# Allegro board BeagleBone-AI.brd (continued)
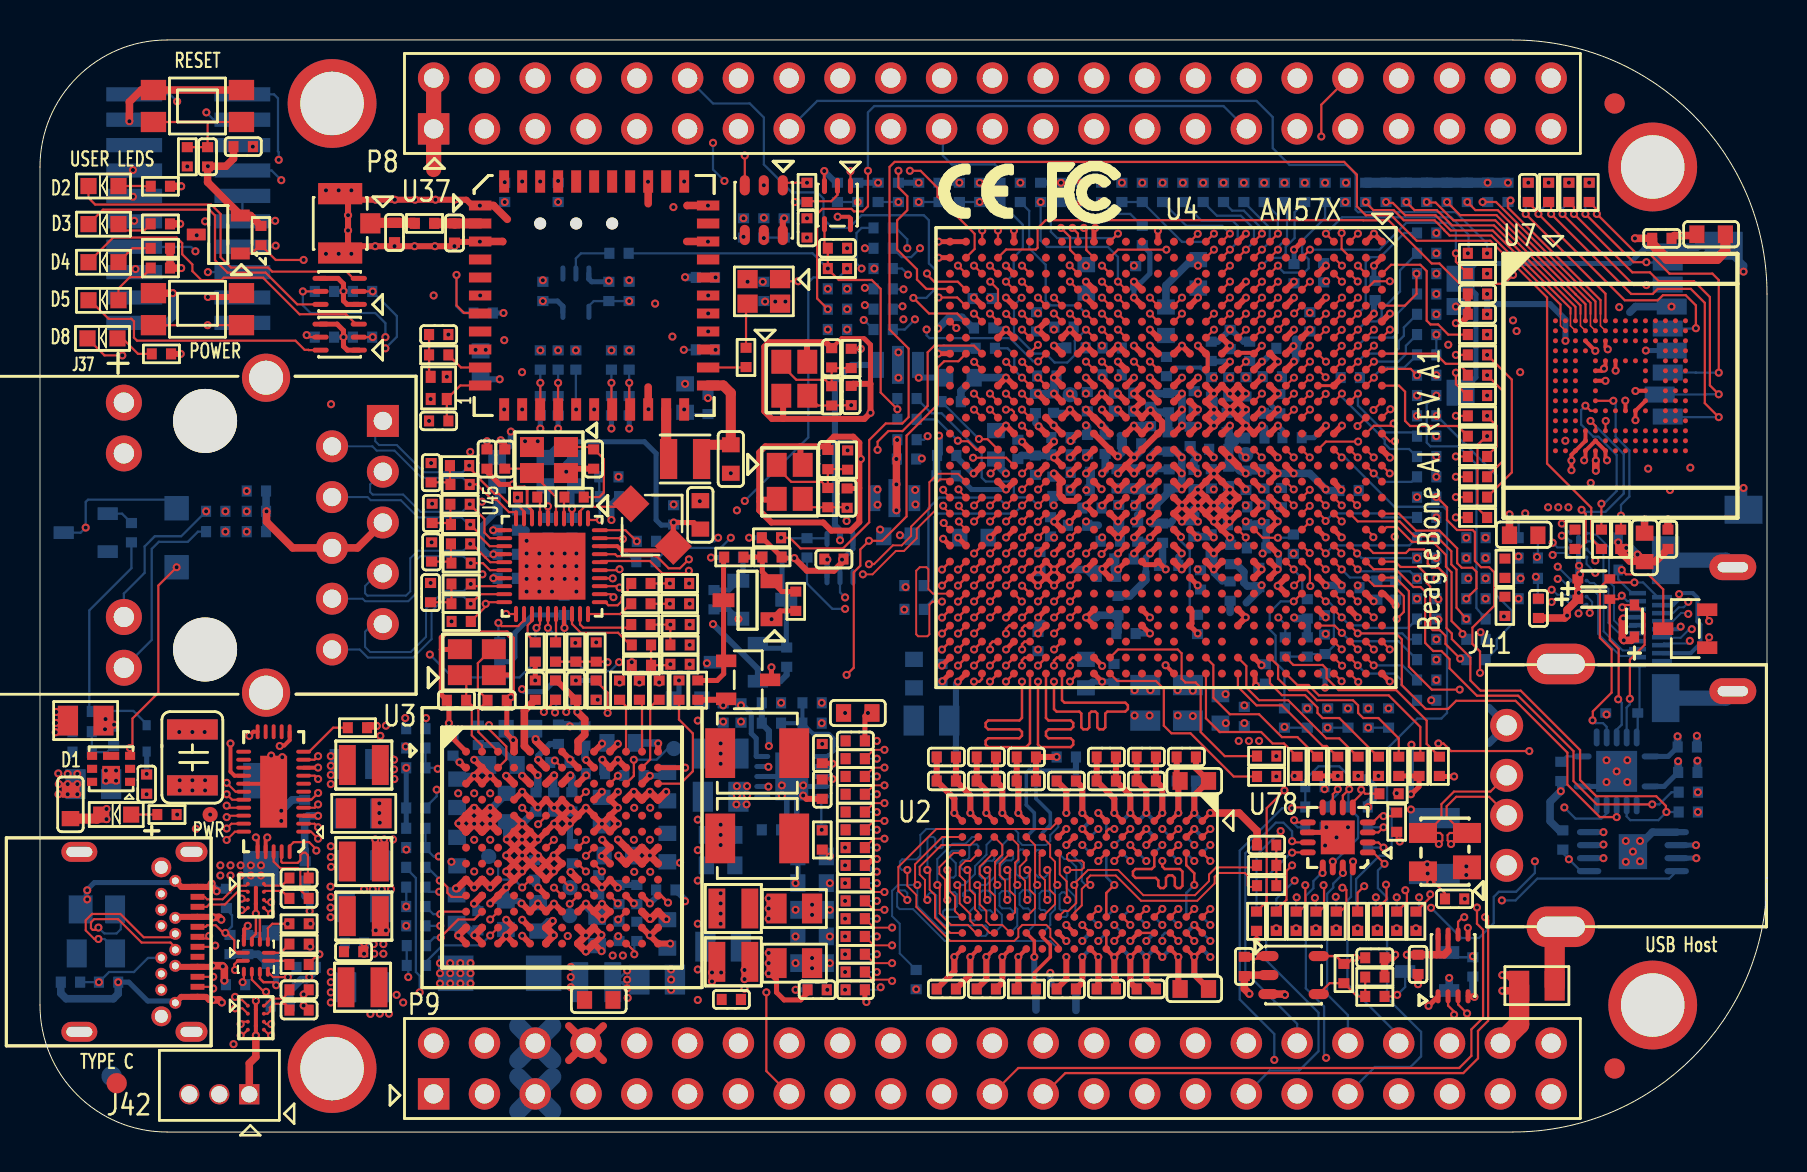
[diagram p0: board, top side]
## Routing (per net, layer and track width the routed paths; a pad name or vN(x,y) marks a point on that pad's centre or on a via; arc(x,y) is an arc through that point) (continued)
  BOTTOM w0.114: v1(44.01,44.2) 43.56,43.75 43.09,43.75 R93.1
MII0_TXD2: length 13.8
  TOP w0.114: U4.U7 v1(53.9,40.13)
  SIG_L10 w0.102: v1(53.9,40.13) 53.51,40.52 52.16,40.52 51.9,40.78 51.9,41.05 51.61,41.34 51.32,41.34 51.06,41.6 51.06,41.88 49.97,42.97 46.35,42.97 45.93,42.55 43.73,42.55 v1(43.41,42.88)
  BOTTOM w0.114: v1(43.41,42.88) 43.1,43.18 R94.1
MII0_TXD3: length 12.7
  TOP w0.114: U4.V7 v1(53.1,40.13)
  SIG_L10 w0.102: v1(43.18,42.14) 50.05,42.14 50.26,41.93 50.26,41.54 50.51,41.29 50.86,41.29 51.13,41.02 51.13,40.76 51.33,40.56 51.59,40.56 51.86,40.29 51.86,40.01 52.12,39.75 52.44,39.75 52.82,40.13 v1(53.1,40.13)
  BOTTOM w0.114: R95.1 42.67,42.14 v1(43.18,42.14)
MII0_XI: length 4.2
  TOP w0.114: C337.1 24.38,33.17 X9.3 25.8,31.75 U45.5
MII0_XO: length 4.9
  TOP w0.114: R461.2 27.97,31.75 28.19,31.98 28.19,33.66 27.71,34.14 C334.1 27.57,34.25 X9.1
MII0_XO_R: length 1.1
  TOP w0.114: R461.1 26.2,31.64 U45.4
MII0A_1.1V: length 3.6
  TOP w0.152: v1(25.4,31.29) 25.4,31.29 U45.6
  TOP w0.203: U45.11 v1(22.66,30.1) ; U45.17 v1(22.67,27.7)
  BOTTOM w0.127: C351.1 v1(22.66,30.1)
  BOTTOM w0.254: 25.4,31.32 25.4,32.18 FB3.2 ; 25.4,31.32 25.4,31.32 25.4,30.71 C348.1 ; 25.4,31.32 v1(25.4,31.29)
  vias: v1(22.12,27.89)
MII0D_1.1V: length 17
  TOP w0.203: U45.38 28.87,29.3 29.08,29.08 31.48,29.08 31.67,29.27 L15.1
  TOP w0.254: L15.1 31.67,30.46 v1(31.69,30.48) 32.69,30.48 C349.1
  BOTTOM w0.254: v1(31.69,30.48) C350.1 31.66,30.35 31.06,30.35 30.81,30.61 30.81,33.93 30.23,34.52 26.06,34.52 FB3.1
MII0D_2.5V: length 10.3
  TOP w0.152: U45.8 24.6,31.07 24.36,31.32 24.36,32.13 24.23,32.26 23.77,32.26 v1(23.65,32.38)
  TOP w0.203: U45.27 26.2,25.21 v1(26.23,25.21)
  TOP w0.254: C339.1 22.35,33.02 22.99,32.38 v1(23.65,32.38)
  BOTTOM w0.254: v1(26.23,25.21) 26.21,25.22 C340.1 24.64,25.86 23.75,24.97 23.75,23.75 23.52,23.52 R483.2
  vias: v1(9.27,31.04) v1(9.27,30.02) v1(10.34,30.02)
MII0D_LX: length 3.1
  TOP w0.114: L15.2 29.4,31.27 27.23,31.27 27,31.04 27,30.69 U45.2
MMC1_CLK: length 59.2
  TOP w0.114: C473.1 74.42,46.48 74.93,45.97 v1(74.93,45.91) 79.25,41.59 80.9,41.59 81.15,41.85 82.3,41.85 82.8,41.34 v1(82.8,40.2)
  SIG_L5 w0.102: v1(82.8,40.2) 80.9,40.2 78.87,42.23 78.87,47.19 76.57,49.49 76.57,50.38 75.83,51.12 49.59,51.12 49,50.52 49,47.5 v1(49.02,47.47)
  BOTTOM w0.114: v1(82.8,40.2) 82.79,40.18 J90.5 ; v1(74.93,45.91) 74.93,46 R421.2
MMC1_CMD: length 54.1
  TOP w0.114: v1(83.95,37.97) 83.95,42.61 83.63,42.93 81.48,42.93 80.47,43.94 79.82,43.94 v1(77.85,45.91) 77.85,46.13 R420.2 ; U4.Y6 v1(51.5,40.93)
  SIG_L5 w0.102: v1(51.5,40.93) 51.09,40.51 50.55,40.51 50.29,40.77 50.29,43.62 50.8,44.13 54.17,44.13 54.74,44.7 54.74,48.13 55.75,49.15 75.56,49.15 76.81,47.9 76.81,46.95 v1(77.85,45.91)
  BOTTOM w0.114: J90.3 82.8,37.98 82.8,37.97 v1(83.95,37.97)
MMC1_DATA0: length 41.1
  TOP w0.114: v1(76.14,45.91) 79.69,42.35 v1(80.33,42.35) ; U4.AA6 50.7,40.93 v1(50.7,40.93)
  SIG_L5 w0.102: v1(50.7,40.93) 50.71,40.93 51.09,41.31 53.21,41.31 53.52,41.61 53.52,41.94 53.72,42.14 54.94,42.14 55.45,42.65 56.21,42.65 57.53,43.97 57.53,47.56 58.1,48.13 73.47,48.13 73.94,47.66 73.94,45.76 74.17,45.53 75.76,45.53 v1(76.14,45.91)
  BOTTOM w0.114: J90.7 80.35,42.38 v1(80.33,42.35) ; v1(76.14,45.91) 76.14,46.19 R422.2
MMC1_DATA1: length 39.2
  TOP w0.114: v1(77.28,45.91) 79.69,43.5 v1(80.33,43.5) ; U4.Y4 v1(51.5,42.53)
  SIG_L5 w0.102: v1(77.28,45.91) 75.79,47.4 75.79,47.78 74.68,48.89 56.52,48.89 55.5,47.88 55.5,45.01 54.31,43.81 51.37,43.81 51.05,43.5 51.05,42.86 51.39,42.53 v1(51.5,42.53)
  BOTTOM w0.114: v1(80.33,43.5) 80.35,43.48 J90.8 ; R423.2 77.28,46.32 v1(77.28,45.91)
MMC1_DATA2: length 51.4
  TOP w0.114: v1(83.95,35.75) 83.25,36.45 83.25,41.47 82.55,42.16 80.9,42.16 80.65,41.91 79.57,41.91 v1(75.56,45.91) 75.56,46.38 R418.2 ; U4.AA5 v1(50.7,41.73)
  SIG_L5 w0.102: v1(50.7,41.73) 51.08,42.1 53.24,42.1 53.49,42.35 53.49,42.72 53.7,42.93 55.91,42.93 56.77,43.79 56.77,47.82 57.34,48.39 74.17,48.39 74.8,47.75 74.8,46.67 v1(75.56,45.91)
  BOTTOM w0.114: v1(83.95,35.75) 81.42,35.75 J90.1
MMC1_DATA3: length 48.9
  TOP w0.114: R419.2 76.71,46.25 v1(76.71,45.91) 79.63,42.99 80.51,42.99 80.95,42.54 82.72,42.54 83.5,41.76 83.5,37.34 v1(83.95,36.89) ; U4.Y3 v1(51.49,43.34)
  SIG_L5 w0.102: v1(51.49,43.34) 51.93,42.9 53.29,42.9 53.97,43.59 54.41,43.59 55.14,44.32 55.75,44.32 56.52,45.08 56.52,48.01 57.15,48.64 74.36,48.64 75.08,47.92 75.08,47.16 75.43,46.81 75.81,46.81 v1(76.71,45.91)
  BOTTOM w0.114: J90.2 83.31,36.88 83.31,36.89 v1(83.95,36.89)
MMC1_SDCD: length 44.5
  TOP w0.114: U4.W7 v1(52.3,40.13)
  SIG_L5 w0.102: v1(52.3,40.13) 52.57,39.86 52.57,39.82 52.67,39.73 54.05,39.73 54.97,40.64 54.97,41.05 55.25,41.33 57.56,41.33 57.91,40.97 57.91,39.95 58.93,38.94 63.65,38.94 64.42,39.71 66.97,39.71 67.22,39.46 68.49,39.46 69.06,38.89 69.75,38.89 70.15,38.48 70.99,38.48 71.25,38.73 71.25,40.87 J90.9 v1(70.8,41.28)
  SIG_L8 w0.102: v1(39.4,42.16) 39.43,42.16 39.85,42.58 39.85,43.21 40.18,43.54 44.58,43.54 46,42.11 48.69,42.11 v1(49.09,41.72)
  BOTTOM w0.081: J90.9 v1(70.8,41.28)
  BOTTOM w0.114: v1(49.09,41.72) 48.7,41.34 48.7,39.94 49.72,38.93 50.29,38.93 50.74,38.48 51.37,38.48 51.75,38.86 51.75,39.57 v1(52.3,40.13)
MMC2_CLK: length 21.7
  TOP w0.114: v1(78.3,35.56) 78.28,35.55 U7.M6
  SIG_L8 w0.102: v1(65.3,47.47) 65.3,47.41 65.85,46.86 65.85,46.23 66.14,45.94 66.9,45.94 69.28,43.56 69.28,42.67 69.53,42.42 70.56,42.42 71.56,41.41 71.56,38.09 72.29,37.36 72.57,37.36 73.05,36.88 77.61,36.88 78.3,36.2 v1(78.3,35.56)
  BOTTOM w0.114: R202.2 v1(65.3,47.47)
MMC2_CMD: length 29.2
  TOP w0.114: v1(77.53,35.56) 77.79,35.31 77.79,35.07 U7.M5 ; R188.2 76.96,29.16 77.29,29.49 77.29,30.91 v1(77.09,31.12) ; U4.H6 v1(61.9,40.93)
  SIG_L8 w0.102: v1(77.53,35.56) 76.64,36.45 71.83,36.45 71.07,37.21 68.83,37.21 68.45,37.59 68.45,38.61 68.14,38.93 64.14,38.93 63.94,39.12 63.94,39.5 63.72,39.73 63.35,39.73 63.12,39.95 63.12,40.26 62.86,40.51 62.48,40.51 62.07,40.93 v1(61.9,40.93)
  BOTTOM w0.114: v1(77.53,35.56) 79.2,33.9 79.2,31.93 78.28,31.01 77.19,31.01 v1(77.09,31.12)
MMC2_DAT0: length 22
  TOP w0.114: U4.J4 v1(61.1,42.53) ; v1(68.33,46.51) 68.73,46.1 69.85,46.1 70.61,45.34 72.71,45.34 76.78,41.26 U7.A3
  SIG_L5 w0.102: v1(68.33,46.51) 68.02,46.51 67.28,45.77 62.22,45.77 61.51,45.07 61.51,43.17 61.1,42.77 v1(61.1,42.53)
MMC2_DAT1: length 23
  TOP w0.114: v1(70.36,46.51) 71.01,45.85 72.83,45.85 76.79,41.89 77.28,41.4 U7.A4 ; U4.J6 v1(61.1,40.92)
  SIG_L5 w0.102: v1(70.36,46.51) 70.36,46.08 69.88,45.59 68.12,45.59 67.01,44.48 64.49,44.48 63.07,43.05 63.07,42.29 62.86,42.09 62.48,42.09 62.31,41.91 62.31,41.48 62.15,41.33 61.77,41.33 61.37,40.93 61.1,40.93 v1(61.1,40.92)
MMC2_DAT2: length 22.9
  TOP w0.114: U4.H4 v1(61.9,42.53) ; U7.A5 77.78,41.53 72.81,46.51 v1(72.14,46.51)
  SIG_L5 w0.102: v1(61.9,42.53) 61.9,42.8 62.29,43.19 62.29,44.51 63.32,45.54 67.42,45.54 67.93,46.05 69.61,46.05 69.72,46.16 69.72,46.8 70.02,47.09 71.55,47.09 v1(72.14,46.51)
MMC2_DAT3: length 25.1
  TOP w0.081: 76.03,40.92 76.03,40.32 U7.B2
  TOP w0.114: v1(66.29,46.51) 66.29,46.48 66.67,46.1 67.69,46.1 68.2,45.59 69.74,45.59 70.21,45.12 70.21,45.1 70.48,44.83 72.58,44.83 76.03,41.38 76.03,40.92 ; U4.H5 v1(61.9,41.73)
  SIG_L5 w0.102: v1(66.29,46.51) 65.89,46.1 61.66,46.1 60.7,45.15 60.7,41.55 60.94,41.32 61.4,41.32 61.8,41.73 v1(61.9,41.73)
MMC2_DAT4: length 26.8
  TOP w0.081: 76.53,40.92 76.53,40.32 76.78,40.07 U7.B3
  TOP w0.114: U4.K7 v1(60.3,40.12) ; v1(67.31,46.51) 67.35,46.46 67.65,46.46 68.26,45.85 69.79,45.85 70.55,45.08 72.64,45.08 76.53,41.2 76.53,40.92
  SIG_L5 w0.102: v1(60.3,40.13) 60.1,40.32 60.1,40.32 59.9,40.52 59.9,45.3 61.1,46.49 64.6,46.49 65,46.89 66.93,46.89 v1(67.31,46.51)
MMC2_DAT5: length 28.2
  TOP w0.081: 77.03,40.92 77.03,40.32 77.28,40.07 U7.B4
  TOP w0.114: 77.03,40.92 77.03,41.33 72.77,45.59 70.68,45.59 69.79,46.48 69.37,46.48 v1(69.34,46.51) ; U4.M7 v1(58.7,40.13)
  SIG_L5 w0.102: v1(58.7,40.13) 59.15,40.57 59.15,41.07 59.15,45.13 60.81,46.79 64.57,46.79 64.87,47.09 68.76,47.09 v1(69.34,46.51)
MMC2_DAT6: length 24.1
  TOP w0.081: U7.B5 77.78,40.07 77.53,40.32 77.53,40.92
  TOP w0.114: 77.53,40.92 77.53,41.47 77.43,41.57 77.43,41.57 72.9,46.1 71.78,46.1 v1(71.37,46.51) ; v1(61.1,41.73) U4.J5
  SIG_L5 w0.102: v1(71.37,46.51) 70.99,46.89 70.13,46.89 69.98,46.74 69.98,46.05 69.77,45.85 68.05,45.85 67.54,45.34 64.01,45.34 63.07,44.4 63.07,43.51 62.31,42.75 62.31,42.29 62.14,42.13 61.5,42.13 v1(61.1,41.73)
MMC2_DAT7: length 28.5
  TOP w0.081: 78.03,40.92 78.03,40.32 78.28,40.07 U7.B6
  TOP w0.114: U4.K6 v1(60.3,40.93) ; v1(73.53,46.58) 73.41,46.46 73.41,46.23 78.03,41.6 78.03,40.92
  SIG_L5 w0.102: v1(60.3,40.92) 60.72,40.51 63.65,40.51 63.91,40.77 63.91,41.15 64.08,41.33 65.25,41.33 65.51,41.58 65.51,42.72 65.71,42.93 66.14,42.93 66.93,42.14 69.04,42.14 69.42,42.52 72.72,42.52 73.53,43.33 v1(73.53,46.58)
MMC4_CLK: length 49.8
  SIG_L8 w0.102: v1(69.82,23.62) 68.05,21.84 63.68,21.84 62.53,22.99 60.9,22.99 55.12,28.77 55.12,29.08 54.86,29.34 54.55,29.34 54.29,29.59 54.29,29.91 54.08,30.12 52.17,30.12 51.94,30.35 51.94,30.67 50.86,31.75 49.71,31.75 49.5,31.95 49.5,32.28 49.25,32.54 47.29,32.54 47.14,32.69 47.14,33.05 46.89,33.3 46.2,33.3 45.14,34.37 43.41,34.37 43.28,34.24 42.72,34.24 41.81,35.15 40.61,35.15 40.23,35.53 40.01,35.75 29.97,35.75 29.59,36.13 v1(27.71,36.13)
MMC4_CMD: length 52.5
  SIG_L8 w0.102: v1(26.81,36.13) 26.81,36.12 27.24,35.69 29.46,35.69 29.65,35.5 39.94,35.5 40.13,35.31 40.51,34.92 41.71,34.92 42.62,34.01 43.38,34.01 43.51,34.14 44.96,34.14 47.12,31.98 47.9,31.98 48.16,31.72 49.33,31.72 49.48,31.57 49.48,31.22 49.76,30.94 50.9,30.94 51.1,30.73 51.1,30.25 51.26,30.1 51.74,30.1 52.5,29.34 54.1,29.34 54.29,29.15 54.29,28.83 54.61,28.51 54.86,28.51 59.97,23.41 59.97,22.23 60.6,21.59 v1(69.57,21.59)
  BOTTOM w0.114: R581.1 v1(69.57,21.59) ; R563.2 26.8,36.54 26.81,36.52 v1(26.81,36.13)
MMC4_DATA0: length 49.2
  TOP w0.114: U4.D28 64.7,22.92 65.08,22.54 v1(65.09,22.54)
  SIG_L8 w0.102: v1(65.09,22.54) 64.19,23.44 61.49,23.44 61.04,23.9 60.81,23.9 56.71,28 56.71,28.28 56.44,28.55 56.16,28.55 55.88,28.83 55.88,29.08 55.63,29.34 55.37,29.34 55.12,29.59 55.12,29.91 54.88,30.15 54.56,30.15 54.29,30.42 54.29,30.67 54.04,30.92 52.13,30.92 50.83,32.23 50.32,32.23 50.06,32.49 49.68,32.49 49.5,32.66 49.5,33.17 49.33,33.35 47.32,33.35 47.09,33.58 47.09,33.81 46.79,34.11 45.75,34.11 45.47,34.39 45.47,34.95 45.14,35.28 43.79,35.28 43.56,35.05 42.34,35.05 42.01,35.38 40.7,35.38 40.08,36 33.27,36 32.57,36.7 27.75,36.7 27.62,36.83 27.62,38.13 27.72,38.23 27.89,38.23 27.99,38.33 27.99,38.53 27.89,38.63 27.72,38.63 27.62,38.73 27.62,38.96 27.75,39.09 v1(28.58,39.09)
MMC4_DATA0_R: length 2.7
  TOP w0.114: v1(28.58,37.46) 28.58,36.17 U37.18
  BOTTOM w0.114: R336.2 v1(28.58,37.46) R564.2
MMC4_DATA1: length 49
  TOP w0.114: U4.D26 v1(65.09,24.13)
  SIG_L8 w0.102: v1(29.46,39.09) 29.46,37.97 29.67,37.77 29.9,37.77 30,37.87 30,39.16 30.12,39.28 30.28,39.28 30.4,39.16 30.4,37.85 30.51,37.74 30.71,37.74 30.81,37.85 30.81,38.25 30.91,38.35 31.12,38.35 31.22,38.25 31.22,37.9 31.32,37.8 32.46,37.8 33.05,37.21 34.07,37.21 34.58,36.7 39.65,36.7 41.62,36.7 42.06,36.26 42.06,36.01 42.54,35.53 43.28,35.53 43.54,35.79 45.67,35.79 46.2,35.26 47.19,35.26 48.62,33.83 49.99,33.83 50.5,33.32 52.6,33.32 52.73,33.2 52.73,32.72 52.93,32.51 54.04,32.51 54.29,32.26 54.29,32 54.55,31.75 54.86,31.75 55.12,31.5 55.12,31.18 55.37,30.92 56.32,30.92 56.71,30.54 56.71,30.42 56.96,30.16 57.21,30.16 57.51,29.87 57.51,29.55 58.32,28.73 58.32,27.97 58.79,27.5 58.79,26.6 60.93,24.46 61.26,24.46 61.53,24.19 65.04,24.19 v1(65.09,24.13)
MMC4_DATA1_R: length 2.7
  TOP w0.114: v1(29.46,37.46) 29.46,36.18 U37.19
  BOTTOM w0.114: R337.2 v1(29.46,37.46) R565.2
MMC4_DATA2: length 51
  TOP w0.114: v1(65.11,23.32) U4.D27
  SIG_L8 w0.102: v1(25.02,39.09) 25.4,38.71 26.96,38.71 27.8,39.54 28.78,39.54 28.96,39.37 28.96,37.4 29.4,36.96 32.64,36.96 33.34,36.26 40.15,36.26 40.8,35.61 42.14,35.61 42.47,35.28 43.41,35.28 43.66,35.53 45.59,35.53 46.1,35.03 47.09,35.03 48.51,33.6 49.89,33.6 50.27,33.22 50.27,32.72 50.47,32.51 52.45,32.51 52.7,32.26 52.7,31.85 52.86,31.7 54.09,31.7 54.32,31.46 54.32,31.15 54.51,30.96 54.83,30.96 55.12,30.67 55.12,30.35 55.31,30.16 55.69,30.16 56.71,29.15 56.71,28.77 56.9,28.57 57.21,28.57 57.51,28.28 57.51,27.97 57.72,27.75 58.04,27.75 58.37,27.42 58.37,26.7 60.88,24.18 61.16,24.18 61.59,23.75 64.68,23.75 v1(65.11,23.32)
MMC4_DATA2_R: length 2.7
  TOP w0.114: U37.14 25.02,36.14 v1(25.02,37.46)
  BOTTOM w0.114: R333.2 v1(25.02,37.46) R561.2
MMC4_DATA3: length 51.5
  TOP w0.114: U4.C28 v1(65.92,22.51)
  SIG_L8 w0.102: v1(25.91,39.09) 25.91,39.12 26.61,39.81 30.23,39.81 31.97,38.07 32.54,38.07 33.15,37.46 34.14,37.46 34.67,36.93 39.56,36.93 41.71,36.93 42.52,36.13 42.52,36 42.73,35.79 43.13,35.79 43.41,36.07 45.82,36.07 46.41,35.48 47.29,35.48 48.62,34.16 52.51,34.16 53.35,33.32 54.15,33.32 54.31,33.17 54.31,32.79 54.58,32.51 54.86,32.51 55.12,32.26 55.12,32 55.37,31.75 55.63,31.75 55.82,31.56 56.32,31.56 56.96,30.92 57.21,30.92 57.53,30.61 57.53,30.35 57.73,30.15 58.04,30.15 58.29,29.9 58.29,29.59 58.55,29.34 58.8,29.34 59.18,28.96 59.18,27.46 62.12,24.52 66.02,24.52 66.25,24.28 66.25,22.84 v1(65.92,22.51)
MMC4_DATA3_R: length 2.7
  TOP w0.114: U37.15 25.91,36.13 v1(25.91,37.46)
  BOTTOM w0.114: R562.2 v1(25.91,37.46) R334.2
MR_L: length 30
  TOP w0.114: U10.3 35.24,47.35 v1(35.24,48.83)
  SIG_L10 w0.102: v1(7.37,48.29) 7.37,48.32 7.75,48.7 10.81,48.7 11.3,48.21 34.62,48.21 v1(35.24,48.83)
ON_OFF: length 0.6
  TOP w0.114: U4.Y11 v1(51.5,36.93)
OSC0_IN: length 11.5
  TOP w0.114: v1(47.54,32.93) 47.9,33.3 U4.AE15 ; v1(40.36,31.22) 40.34,31.24 R11.1 38.56,31.24 X7.3
  INT_L3 w0.102: v1(40.36,31.22) 40.97,31.22 41.24,30.95 42.1,30.95 43.69,32.54 44.15,32.54 44.63,33.02 45.57,33.02 46.05,32.54 47.14,32.54 v1(47.54,32.93)
OSC0_OUT: length 9
  TOP w0.114: v1(46.66,33.72) 48.31,33.72 U4.AD15
  SIG_L5 w0.102: v1(40.39,34.09) 41.27,34.09 41.62,33.74 42.14,33.74 42.55,34.16 44.28,34.16 44.72,33.72 v1(46.66,33.72)
OSC1_IN: length 13.1
  TOP w0.114: v1(40.56,36.35) R12.1 38.91,36.33 X8.3 ; U4.AC15 v1(49.11,32.93)
  SIG_L5 w0.102: v1(49.11,32.93) 49.11,33.31 48.29,34.12 45.15,34.12 44.86,34.42 44.07,34.42 43.5,34.99 41.92,34.99 v1(40.56,36.35)
OSC1_OUT: length 12.1
  TOP w0.114: U4.AC13 v1(49.1,35.33) ; R15.1 v1(41.05,39.17)
  SIG_L5 w0.102: v1(41.05,39.17) 41.05,37.38 42.67,35.75 47.23,35.75 48.03,34.95 48.73,34.95 v1(49.1,35.33)
PMIC_INT: length 91.6
  TOP w0.114: U4.F21 63.5,28.13 63.5,27.33 v1(63.53,27.3)
  SIG_L8 w0.102: v1(18.99,6.98) 20.28,5.69 35.51,5.69 36.09,5.11 36.09,3.89 36.37,3.61 50.98,3.61 51.46,4.09 51.46,5.16 51.99,5.69 65.91,5.69 66.7,6.48 66.7,9.25 67.36,9.91 67.36,11.79 67.69,12.12 67.69,13.87 67.56,14 67.56,14.88 67.79,15.11 68.66,15.11 69.75,16.21 69.75,18.29 70.79,19.33 70.79,21.21 71.37,21.79 71.37,23.19 71.65,23.47 71.65,24.18 71.37,24.46 71.07,24.46 70.76,24.77 70.76,25.37 70.61,25.53 70.61,25.91 70.26,26.26 69.65,26.26 69.47,26.44 69.47,27.13 69.24,27.36 69.24,27.97 69.14,28.07 68.68,28.07 67.56,26.95 63.88,26.95 v1(63.53,27.3)
  BOTTOM w0.114: R152.2 18.31,13.18 18.8,12.7 18.8,8 18.99,7.81 v1(18.99,6.98)
PMIC_RESET_IN_L: length 13.4
  TOP w0.12: U3.K9 27.29,12.24 v1(27.28,12.24)
  INT_L3 w0.102: v1(27.28,12.24) 27.34,12.24 27.7,12.6 27.7,13.24 27.53,13.41 23.1,13.41 22.56,13.96 21.36,13.96 19.84,15.48 v1(19.84,17.12)
  BOTTOM w0.114: R157.1 19.28,16.23 19.84,16.79 v1(19.84,17.12)
PMIC_RSTOUTN: length 74.3
  TOP w0.114: U6.1 v1(40.53,48.05)
  TOP w0.12: U3.G6 v1(25.7,14.61)
  INT_L3 w0.102: v1(25.76,20.98) 26.11,20.62 26.11,15.03 v1(25.7,14.61)
  SIG_L5 w0.102: v1(40.53,48.05) 40.14,48.44 31.57,48.44 31.14,48.01 13.84,48.01 12.83,46.99 12.83,44.53 11.62,43.32 11.62,39.71 12.85,38.48 14.88,38.48 15.93,37.44 15.93,24.92 18.68,22.16 22.12,22.16 22.12,22.15 23.04,21.23 24.59,21.23 24.84,21.49 25.25,21.49 v1(25.76,20.98)
  BOTTOM w0.114: v1(25.76,20.98) 25.81,21.03 25.81,21.59 R124.1
PORZ: length 6.7
  TOP w0.114: 8.38,50.51 C321.1 R595.1 ; 8.38,50.51 S1.2 ; 8.38,50.51 S1.4
PORZN: length 45.4
  TOP w0.114: U4.F22 v1(62.71,27.33)
  SIG_L5 w0.102: v1(62.71,27.33) 62.29,27.75 62.29,29.04 61.99,29.34 46.48,29.34 46,28.85 41.25,28.85 39.98,30.12 38.94,30.12 37.5,31.56 v1(35.24,31.56)
  BOTTOM w0.114: v1(35.24,31.56) 38.42,34.73 38.42,42.48 38.67,42.74 39.94,42.74 40.36,43.15 v1(40.36,43.18)
PWR_BUT: length 69.6
  TOP w0.114: S3.4 v1(8.38,40.35) S3.2
  SIG_L5 w0.102: P9.9 29.82,1.9 28.55,3.17 28.55,5.16 29.11,5.71 34.16,5.71 34.62,6.17 34.62,15.06 35.97,16.41 35.97,17.42 34.67,18.72 34.67,20.68 34.42,20.93 33.68,20.93 32.99,21.62 v1(27.89,21.62)
  SIG_L8 w0.102: v1(27.89,21.62) 27.46,21.62 27.24,21.83 27.24,25.18 26.29,26.14 24,26.14 23.14,27 21.39,27 19.37,29.02 16.45,29.02 15.05,30.42 13.3,30.42 10.99,32.73 10.99,36 8.38,38.61 v1(8.38,40.35)
PWR_OV_CTL: length 12.7
  BOTTOM w0.114: 2.54,21.03 2.46,20.96 2.46,26.09 4.57,28.19 R552.1 ; 2.54,21.03 2.57,21.06 4.67,21.06 5.33,20.4 D76.2 ; 2.54,21.03 R551.2
R6_GPIO7_3: length 58.7
  TOP w0.114: U4.R6 v1(55.5,40.93) ; v1(64.19,12.34) 64.21,12.32 64.21,11.26 63.97,11.02 R634.1 ; v1(69.93,19.43) 70.18,19.43 70.56,19.05 v1(74.47,19.05)
  SIG_L5 w0.102: v1(64.19,12.34) 63.6,12.93 63.6,17.45 65.02,18.87 69.39,18.87 69.93,19.41 v1(69.93,19.43) ; v1(74.47,19.05) 74.47,20.88 72.85,22.5 72.85,23.9 74.3,25.35 74.3,26.92 74.09,27.13 73.94,27.13 73.66,27.41 73.66,27.94 73.3,28.3 73.3,30.12 72.52,30.91 72.52,33.99 71.12,35.38 69.57,35.38 69.32,35.64 69.32,36.09 69.06,36.35 68.76,36.35 67.79,37.31 64.9,37.31 64.69,37.52 64.69,38.81 64.49,39.01 64.08,39.01 63.88,38.81 63.88,38.23 63.8,38.15 59,38.15 58.47,38.68 57.78,38.68 57.51,38.96 57.51,39.5 56.08,40.93 v1(55.5,40.93)
RESETN: length 5.7
  TOP w0.102: U4.E23 v1(64.29,26.53)
  BOTTOM w0.114: v1(64.29,26.53) 64.43,26.53 64.7,26.26 64.7,24.31 64.29,23.9 C267.1 63.45,23.9 R169.1 R642.1
RF_ANT_2G4: length 2.3
  TOP w0.508: U37.2 20.73,45.43 C488.1 R385.2
RGMII0_RXC: length 59.1
  TOP w0.114: U4.U5 v1(53.9,41.73) ; R466.1 v1(31.5,27.43)
  SIG_L10 w0.102: v1(31.5,27.43) 32,26.92 32,26.35 31.69,26.04 31.5,26.04 31.12,25.65 31.12,23.56 30.67,23.11 27.5,23.11 27.3,23.3 26.54,23.3 25.78,24.07 25.78,25.46 25.65,25.59 25.02,25.59 24.89,25.72 24.89,26.04 25.02,26.16 27.11,26.16 27.5,26.54 27.5,30.73 29.4,32.64 29.4,33.15 31.81,35.56 31.81,36.39 32.26,36.83 32.53,36.83 36.53,40.83 37.47,40.83 37.9,41.26 37.9,41.9 38.27,42.27 38.27,44.14 39.47,45.34 42.8,45.34 43.04,45.58 45.78,45.58 45.92,45.45 48.94,45.45 49.3,45.08 50.6,45.08 51.11,44.58 52.67,44.58 53.54,43.71 53.54,42.09 v1(53.9,41.73)
RGMII0_RXCTL: length 57.2
  TOP w0.114: U4.V5 v1(53.1,41.73) ; R464.1 v1(31.5,26.42)
  SIG_L10 w0.102: v1(53.1,41.73) 53.1,41.94 52.69,42.36 52.69,42.65 52.41,42.92 52.14,42.92 51.92,43.14 51.92,43.48 51.57,43.83 50.53,43.83 50.22,44.14 45.95,44.14 45.21,44.88 43.55,44.88 43.24,44.58 42.93,44.58 42.8,44.45 42.8,43.23 42.69,43.12 42.53,43.12 42.42,43.23 42.42,44.45 42.29,44.58 42.16,44.58 42.04,44.45 42.04,43.69 41.91,43.56 41.78,43.56 41.66,43.69 41.66,44.45 41.53,44.58 39.94,44.58 38.99,43.62 38.99,42.02 38.58,41.62 38.58,40.49 30.21,32.12 30.21,30.48 30.09,30.35 29.59,30.35 29.46,30.23 29.46,30.04 29.59,29.91 30.09,29.91 30.21,29.78 30.21,29.27 30.09,29.15 29.15,29.15 29.02,29.02 29.02,28.7 28.89,28.57 28.77,28.57 28.64,28.7 28.64,29.02 28.51,29.15 28.38,29.15 28.26,29.02 28.26,26.54 28.45,26.35 29.78,26.35 29.91,26.48 29.91,27.13 30.02,27.24 30.18,27.24 30.29,27.13 30.29,26.48 30.42,26.35 30.54,26.35 30.67,26.48 30.67,27.89 31.54,28.77 31.7,28.77 31.81,28.65 31.81,27.94 31.69,27.81 31.18,27.81 31.05,27.69 31.05,26.48 31.18,26.35 31.43,26.35 v1(31.5,26.42)
RGMII0_RXD0: length 58.6
  TOP w0.114: U4.W2 52.32,44.1 52.32,45.08 v1(52.2,45.21) ; R458.1 v1(31.52,25.37) R486.1
  SIG_L10 w0.102: v1(52.2,45.21) 51.82,45.59 51.12,45.59 50.86,45.85 49.38,45.85 49.32,45.9 46.15,45.9 46.01,46.04 40.7,46.04 40.39,46.35 38.35,46.35 37.72,45.72 37.72,43.26 36.5,42.04 36.2,42.04 31.18,37.02 31.18,35.88 26.92,31.62 26.42,31.62 24.87,30.07 24.23,30.07 23.88,29.72 23.88,24.96 26.86,21.97 31.05,21.97 31.5,22.42 31.5,22.73 31.94,23.18 31.94,24.96 v1(31.52,25.37)
RGMII0_RXD1: length 55.7
  TOP w0.114: R459.1 R489.2 31.47,23.34 v1(31.52,23.39) ; v1(51.05,45.21) 51.51,44.76 51.51,44.11 51.9,43.73 U4.Y2
  SIG_L10 w0.102: v1(31.52,23.39) 30.99,22.86 28.68,22.86 28.58,22.76 28.58,22.39 28.47,22.29 28.27,22.29 28.17,22.39 28.17,22.76 28.07,22.86 27.87,22.86 27.76,22.76 27.76,22.39 27.66,22.29 27.46,22.29 27.36,22.39 27.36,22.74 27.05,23.05 26.29,23.05 24.26,25.08 24.26,26.23 24.61,26.57 26.96,26.57 27.25,26.87 27.25,31.59 31.43,35.77 31.43,36.39 32.11,37.06 32.43,37.06 36.44,41.07 37.32,41.07 37.63,41.38 37.63,41.91 37.53,42.01 37.53,42.67 37.97,43.11 37.97,44.96 38.23,45.21 38.64,45.21 39.55,46.12 40.17,46.12 40.49,45.81 45.89,45.81 46.02,45.67 49.07,45.67 49.28,45.47 50.8,45.47 v1(51.05,45.21)
RGMII0_RXD2: length 56.2
  TOP w0.114: U4.V3 v1(53.1,43.33) ; v1(28.38,23.5) 28.36,23.52 R490.2 R485.1 R460.1
  SIG_L10 w0.102: v1(28.38,23.5) 28.64,23.75 28.64,25.59 28.51,25.72 28.32,25.72 28.19,25.59 28.19,24.13 28.07,24 27.91,24 27.81,23.9 27.81,23.68 27.69,23.56 27.52,23.56 27.4,23.68 27.4,23.9 27.3,24 27.09,24 26.99,23.9 26.99,23.68 26.87,23.56 26.71,23.56 26.59,23.68 26.59,23.9 26.49,24 26.23,24 26.04,24.19 26.04,24.7 26.16,24.83 26.48,24.83 26.61,24.96 26.61,25.78 26.73,25.91 26.86,25.91 26.99,25.78 26.99,24.96 27.11,24.83 27.62,24.83 27.75,24.96 27.75,25.15 27.62,25.27 27.37,25.27 27.24,25.4 27.24,25.59 27.37,25.72 27.62,25.72 27.75,25.84 27.75,29.27 29.72,31.24 29.72,32.89 33.02,36.2 33.02,37 36.58,40.56 37.64,40.56 38.13,41.05 38.13,41.81 38.49,42.18 38.49,44.04 39.54,45.08 42.93,45.08 43.19,45.35 45.41,45.35 46.16,44.6 50.65,44.6 50.93,44.32 52.37,44.32 53.1,43.59 v1(53.1,43.33)
RGMII0_RXD3: length 56.6
  TOP w0.114: U4.V4 v1(53.1,42.53)
  SIG_L10 w0.102: v1(28.96,23.5) 28.96,23.75 29.08,23.88 30.67,23.88 30.8,24 30.8,24.23 30.7,24.33 28.99,24.33 28.89,24.43 28.89,24.64 29.02,24.77 30.67,24.77 30.8,24.89 30.8,25.08 30.67,25.21 29.02,25.21 28.89,25.34 28.89,25.53 29.02,25.65 30.67,25.65 30.8,25.78 30.8,25.97 30.67,26.1 28.13,26.1 28,26.23 28,29.15 29.97,31.12 29.97,32.26 38.35,40.64 38.35,41.71 38.72,42.08 38.72,43.74 39.81,44.83 43.05,44.83 43.35,45.12 45.32,45.12 46.07,44.37 50.44,44.37 50.72,44.08 52.12,44.08 52.68,43.53 52.68,43.11 53.1,42.68 v1(53.1,42.53)
  BOTTOM w0.114: R462.1 R481.1 27.27,23.05 28.51,23.05 v1(28.96,23.5)
RGMII0_TXC: length 23.9
  TOP w0.114: U45.33 28.89,27.3 28.96,27.23 28.96,27.23 v1(28.98,27.23)
  SIG_L10 w0.102: v1(41.19,40.61) 41.19,40.68 41.66,41.15 41.66,41.53 41.4,41.78 40.69,41.78 40.44,41.53 40.2,41.53 39.78,41.11 39.78,39.97 39.43,39.62 38.86,39.62 30.9,31.66 30.9,28.87 29.26,27.23 v1(28.98,27.23)
  BOTTOM w0.114: v1(41.19,40.61) 41.21,40.61 R97.2
RGMII0_TXCTL: length 23.2
  TOP w0.114: U45.32 28.54,26.9 28.63,26.81 28.63,26.8 v1(28.68,26.75)
  SIG_L10 w0.102: v1(41.25,41.35) 41.22,41.35 40.67,40.79 40.22,40.79 40,40.58 40,39.62 39.75,39.37 38.99,39.37 31.13,31.51 31.13,29.97 31.25,29.85 31.69,29.85 31.81,29.72 31.81,29.46 31.69,29.34 31.25,29.34 31.13,29.21 31.13,28.71 29.15,26.73 28.69,26.73 v1(28.68,26.75)
  BOTTOM w0.114: v1(41.25,41.35) 41.48,41.35 R96.2
RGMII0_TXD0: length 25
  TOP w0.114: U45.34 28,27.69 v1(28.64,27.69)
  SIG_L10 w0.102: v1(41.08,43.18) 40.51,42.61 40.26,42.61 40,42.35 40,41.85 39.69,41.53 39.18,41.53 39.04,41.39 39.04,40.18 30.67,31.81 30.67,29.02 29.34,27.69 v1(28.64,27.69)
  BOTTOM w0.114: R92.2 41.08,45.21 40.83,44.96 40.83,43.43 v1(41.08,43.18)
RGMII0_TXD1: length 23.6
  TOP w0.114: v1(28.98,28.14) 28.93,28.09 28,28.09 U45.35
  SIG_L10 w0.102: v1(41.25,44.2) 41.21,44.2 40.83,43.81 39.94,43.81 39.75,43.62 39.75,41.97 39.56,41.78 39.11,41.78 38.81,41.48 38.81,40.34 30.44,31.97 30.44,29.17 29.41,28.14 v1(28.98,28.14)
  BOTTOM w0.114: R93.2 v1(41.25,44.2)
RGMII0_TXD2: length 25
  TOP w0.114: U45.36 28.06,28.56 30.5,28.56 31.12,27.94 32.32,27.94 v1(32.45,28.07)
  SIG_L10 w0.102: v1(32.45,28.07) 32.83,28.45 32.83,28.83 32.58,29.08 32.58,32.12 39.19,38.73 39.88,38.73 41.02,39.88 41.47,39.88 42.16,40.58 42.16,42.74 v1(41.72,43.18)
  BOTTOM w0.114: R94.2 v1(41.72,43.18)
RGMII0_TXD3: length 24.2
  TOP w0.114: U45.37 28.76,28.9 28.86,28.8 30.83,28.8 31.44,28.19 32,28.19 v1(32.45,28.64)
  SIG_L10 w0.102: v1(32.45,28.64) 32.19,28.89 32.19,32.07 39.12,38.99 39.75,38.99 40.89,40.13 41.34,40.13 41.91,40.7 41.91,41.97 41.67,42.21 v1(41.25,42.21)
  BOTTOM w0.114: v1(41.25,42.21) 41.63,42.21 R95.2
RGMII_RST: length 37.4
  TOP w0.114: U4.N1 v1(57.89,44.92)
  INT_L3 w0.102: v1(29.46,42.6) 30.28,43.41 38.38,43.41 39.22,42.57 42.24,42.57 42.29,42.52 46.76,42.52 47.17,42.11 47.73,42.11 47.88,41.96 47.88,39.44 48.34,38.98 50.06,38.98 50.29,39.21 50.29,39.5 50.55,39.75 50.83,39.75 51.06,39.98 51.06,40.39 51.24,40.56 54.05,40.56 54.26,40.77 54.26,44.1 54.74,44.58 57.56,44.58 v1(57.89,44.92)
